# Altium PCB 28375D_Control_Card_2023.6.7.PcbDoc (part 2 of 2)
Units mil, origin at the board's own origin, x right, y up, seen from the top; angles counter-clockwise.
Board outline 3937.01 x 3937.01 mil, 4 copper layers (Top Layer, GND, POWER, Bottom Layer), stack 22.378 mil thick; 208 components, 172 nets, 815 pads, 387 vias.
Unrouted connection lines stored in the file: 110.
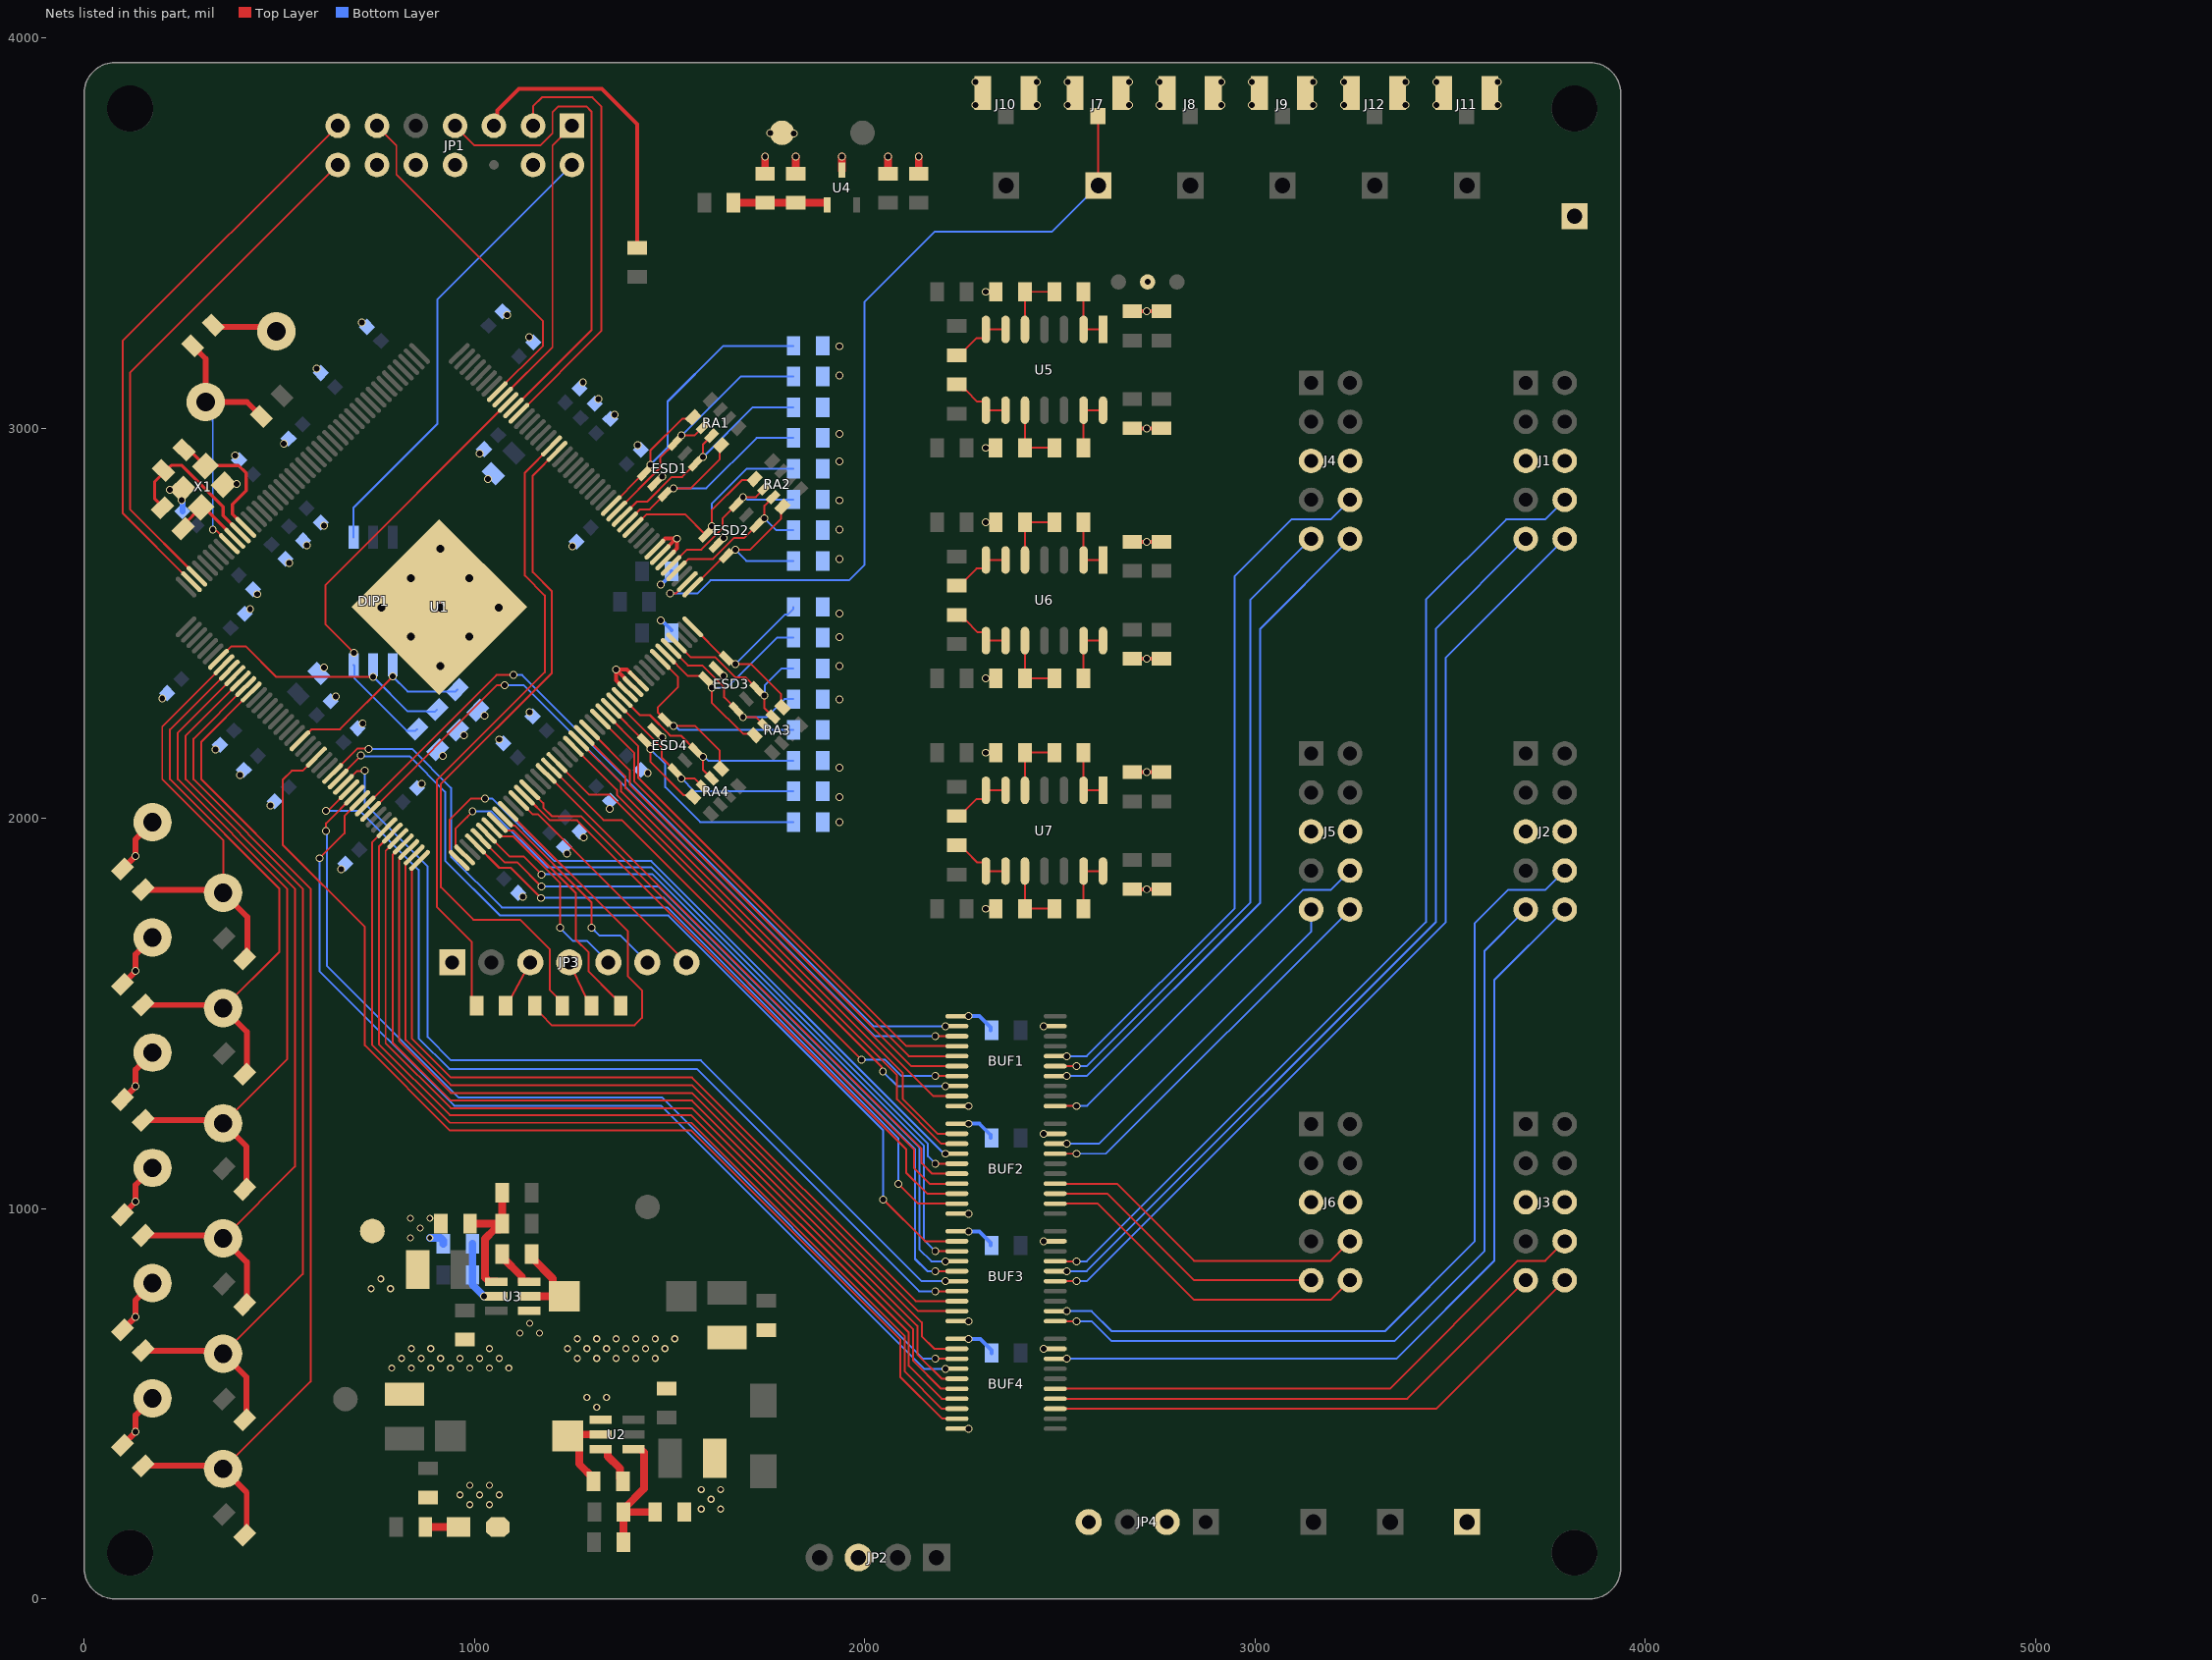
[diagram p4: the nets of this part, all layers, seen from the top]

## Via types
v1: diameter 20, hole 15, Top Layer to Bottom Layer, tented both sides, 277 vias
v2: diameter 18, hole 12, Top Layer to Bottom Layer, tented both sides, 100 vias
v3: diameter 30, hole 20, Top Layer to Bottom Layer, tented both sides, 9 vias
v4: diameter 20, hole 15, Top Layer to Bottom Layer, 1 vias

## Nets (pads, with @x,y where several pads share a name; then routed paths per layer and width w, separated by ;. In a path a pad name is that pad's centre, name@x,y a point inside that pad or via, vN(x,y) a via of type N, cw(c..) or ccw(c..) an arc to the next point about the centre after c; other vN are vias at no path point) (continued)
GND: BUF1.1 BUF1.10 BUF1.19 BUF2.1 BUF2.10 BUF2.19 BUF3.1 BUF3.10 BUF3.19 BUF4.1 BUF4.10 BUF4.19 C3.1 C6.1 C7.1 C8.1 C9.1 C11.1 C12.1 C14.1 C15.1 C16.1 C17.1 C18.1 C19.1 C20.1 C21.1 C22.1 C23.1 C24.1 C25.1 C26.1 C27.1 C28.1 C29.1 C30.1 C31.1 C32.1 C33.1 C34.1 C35.1 C36.1 C37.1 C38.1 C39.1 C40.1 C41.1 C42.1 C43.1 C44.1 C45.1 C46.1 C47.1 C48.1 C49.1 C50.1 C51.1 C52.1 C53.1 C54.1 C55.1 C56.1 C57.1 C58.1 C59.1 C60.1 C61.1 C62.1 C63.1 C64.1 C65.1 C66.1 C67.1 C68.2 C69.1 C70.2 C71.1 C72.2 C73.1 C74.1 C75.1 C76.1 C77.1 C78.1 C79.1 C80.1 C81.1 C82.1 C83.1 C84.1 C85.1 C86.1 C87.1 C88.1 C89.2 ESD1.2 ESD2.2 ESD3.2 ESD4.2 J1.5 J1.6 J2.5 J2.6 J3.5 J3.6 J4.5 J4.6 J5.5 J5.6 J6.5 J6.6 J7.2 J8.2 J9.2 J10.2 J11.2 J12.2 JP1.4 JP1.8 JP1.10 JP1.12 JP2.3 JP3.1 JP4.2 JP4.4 LED1.2 R3.1 R6.1 R18.1 R19.1 R20.1 R21.1 R22.1 R23.1 R24.1 R25.1 R26.1 R27.1 R28.1 R29.1 R44.2 R45.2 R46.2 S.1 SW1.1 SW2.1 SW3.1 SW4.1 SW5.1 SW6.1 TP7.1 TP11.1 TP12.1 TP15.1 TP17.1 U1.32 U1.33 U1.34 U1.50 U1.51 U1.52 U1.177 U2.4 U3.4 U4.3 X1.2 X1.4 | length 2758.2
  Top Layer w10: X1.4@250.71,2843.04 X1.4@252.11,2844.43 ; U1.32@1392.44,2324.1 1362.41,2354.13 v1(1362.41,2381.42) ; U1.33@1406.36,2338.02 1406.09,2338.02 1362.69,2381.42 v1(1362.41,2381.42) ; U1.34@1420.28,2351.94 1390.8,2381.42 v1(1362.41,2381.42) ; U1.52@1462.04,2690.2 1462.53,2690.2 1489.24,2716.92 v1(1519.44,2716.92) 1519.44,2691.92 U1.50@1489.88,2662.36 ; U1.51@1475.96,2676.28 1476.12,2676.28 v1@1516.75,2716.92 ; v1(2310.49,1768.46) 2335.78,1768.46 R25.1@2335.83,1768.5 ; v1(2310.49,2168.46) 2335.78,2168.46 R24.1@2335.83,2168.5 ; v1(2310.49,2359.01) R29.1@2335.83,2359.06 R29.1@2335.83,2359.06 ; v1(2310.49,2759.01) R28.1@2335.83,2759.06 R28.1@2335.83,2759.06 ; v1(2310.49,2949.56) 2335.78,2949.56 R27.1@2335.83,2949.61 ; v1(2310.49,3349.56) 2335.78,3349.56 R26.1@2335.83,3349.61 ; R19.1@2685.63,1818.7 C69.1@2760.63,1818.7 ; R18.1@2685.63,2118.31 C68.2@2760.63,2118.31 ; R23.1@2685.63,2409.25 C73.1@2760.63,2409.25 ; R22.1@2685.63,2708.86 C72.2@2760.63,2708.86 ; R21.1@2685.63,2999.8 C71.1@2760.63,2999.8 ; R20.1@2685.63,3299.41 C70.2@2760.63,3299.41
  Top Layer w15: C79.1@98.43,393.7 98.43,394.51 v1(131.61,427.69) 131.61,470.45 SW6.1@175.07,513.91 ; C78.1@98.43,688.98 98.43,689.78 v1(131.61,722.97) 131.61,765.73 SW5.1@175.07,809.18 ; C77.1@98.43,984.25 98.43,985.06 v1(131.61,1018.24) 131.61,1061 SW4.1@175.07,1104.46 ; C76.1@98.43,1279.53 98.43,1280.33 v1(131.61,1313.52) 131.61,1356.28 SW3.1@175.07,1399.74 ; C75.1@98.43,1574.8 98.43,1575.61 v1(131.61,1608.79) 131.61,1651.55 SW2.1@175.07,1695.01 ; C74.1@98.43,1870.08 98.43,1870.88 v1(131.61,1904.07) 131.61,1946.83 SW1.1@175.07,1990.29 ; C3.1@330.59,3264.42 335.89,3259.12 481.04,3259.12 S.1@492.13,3248.03
  Top Layer w20: C49.1@1744.7,3652.55 v1(1744.7,3695.85) ; C48.1@1823.44,3652.55 v1(1823.44,3695.85) ; U4.3@1941.55,3661.4 v1(1941.55,3695.85) ; C51.1@2059.66,3652.55 v1(2059.66,3695.85) ; C50.1@2138.4,3652.55 v1(2138.4,3695.85)
  Bottom Layer w10: v1(1476.97,2599.37) 1478.55,2599.37 1504.54,2625.36 C11.1@1504.54,2632.86 ; v1(1477.57,2507.6) 1479.82,2507.6 C12.1@1504.54,2482.88 ; v1@2263.78,941.93 2293.92,941.93 2322.83,913.02 C83.1@2322.83,905.52 ; v1@2263.78,1217.52 2293.92,1217.52 2322.83,1188.61 C82.1@2322.83,1181.11 ; v1@2263.78,1493.11 2293.92,1493.11 2322.83,1464.2 C85.1@2322.83,1456.7 ; v1(2265.75,666.34) 2295.89,666.34 2324.8,637.42 C84.1@2324.8,629.92
  Bottom Layer w15: v1(250,2816) 250,2814.65 251.82,2812.83 C36.1@251.82,2787.16
  Bottom Layer w20: v2(885.82,925.04) 912.7,925 920.2,917.5 C89.2@920.2,910
  other v1: 2265.75,436.02 2458.66,640.75 2265.75,711.61 2458.66,916.34 2265.75,941.93 2265.75,987.2 2458.66,1191.93 2265.75,1217.52 2265.75,1262.8 2458.66,1467.52 2265.75,1493.11 1124,1799 2723.13,1818.7 658,1870 1237.42,1909.42 1280.4,1951.4 1935,1990 1346.01,2024.01 477,2033 1935,2055 864.25,2089.05 399,2111 1444,2116 2723.13,2118.31 1935,2130 918.74,2160.47 336.21,2176.17 1063.7,2202.36 1480.61,2207.55 973.33,2213.34 713.26,2243.42 1026.05,2262.9 1140.94,2272.06 1935,2305 200,2308 644.81,2312.98 1638.09,2365.03 614.9,2386.17 1935,2390 2723.13,2409.25 1935,2465 1935,2525 425.13,2536.23 443.91,2574.76 525,2655 1935,2665 1250.42,2697.45 570,2700 2723.13,2708.86 1638.09,2718.73 1935,2740 615,2750 1935,2815 219.5,2841.61 390.59,2856.82 1035,2870 1480.61,2876.21 1935,2915 387,2930 1013.48,2935.25 1418,2957 511.89,2960.5 1935,2985 2723.13,2999.8 1359,3034 1318,3075 1278,3117 1935,3135 596,3153 1935,3210 1140,3233 711,3271 1084,3290 2723.13,3299.41 2725,3375 1817.77,3754.7 1757.54,3756.24 2283.46,3828.74 2440.94,3828.74 2519.68,3828.74 2677.17,3828.74 2755.91,3828.74 2913.39,3828.74 2992.13,3828.74 3149.61,3828.74 3228.35,3828.74 3385.83,3828.74 3464.57,3828.74 3622.05,3828.74 2283.46,3887.8 2440.94,3887.8 2519.68,3887.8 2677.17,3887.8 2755.91,3887.8 2913.39,3887.8 2992.13,3887.8 3149.61,3887.8 3228.35,3887.8 3385.83,3887.8 3464.57,3887.8 3622.05,3887.8
  other v2: 1581.13,230.14 1631.13,230.14 988.19,241.34 1038.19,241.34 1606.13,255.14 963.19,266.34 1013.19,266.34 1063.19,266.34 1581.13,280.14 1631.13,280.14 988.19,291.34 1038.19,291.34 1313.19,491.34 1288.19,516.34 1338.19,516.34 788.19,591.34 838.19,591.34 888.19,591.34 938.19,591.34 988.19,591.34 1038.19,591.34 1088.19,591.34 813.19,616.34 863.19,616.34 913.19,616.34 963.19,616.34 1013.19,616.34 1063.19,616.34 1263.19,616.34 1313.19,616.34 1363.19,616.34 1413.19,616.34 1463.19,616.34 838.19,641.34 888.19,641.34 1038.19,641.34 1238.19,641.34 1288.19,641.34 1338.19,641.34 1388.19,641.34 1438.19,641.34 1488.19,641.34 1263.19,666.34 1313.19,666.34 1363.19,666.34 1413.19,666.34 1463.19,666.34 1513.19,666.34 1116.43,681.22 1166.43,681.22 1141.43,706.22 735,795 785,795 760,820 835.82,925.04 860.82,950.04 835.82,975.04 885.82,975.04
  other v3: 912.04,2390.54 837.04,2465.54 987.04,2465.54 762.04,2540.54 912.04,2540.54 1062.04,2540.54 837.04,2615.54 987.04,2615.54 912.04,2690.54
I2CB_SCL: R47.1 U1.71 | length 1641
  Top Layer w5: R47.1@1005.2,1520 993.39,1531.8 993.39,1682.82 903.27,1772.94 903.27,2097.77 1179.93,2374.43 1179.93,2571.32 1129,2622.25 1129,2886.1 U1.71@1197.57,2954.67
I2CB_SDA: R49.1 U1.70 | length 1783.3
  Top Layer w5: U1.70@1211.49,2940.75 1149.21,2878.47 1149.21,2630.79 1198.34,2581.66 1198.34,2372.83 914.27,2088.77 914.27,1823.63 997.33,1740.58 1116.74,1740.58 1193.17,1664.16 1193.17,1559.95 1210.2,1542.92 1210.2,1535 R49.1@1225.2,1520
JTAG_TRST: DIP1.4 JP1.2 | length 1186.4
  Bottom Layer w5: DIP1.4@690.51,2720.32 690.51,2796.81 905.51,3011.81 905.51,3330.51 JP1.2@1250,3675
nCS: JP3.7 U1.12 | length 600.7
  Top Layer w5: U1.12@1114.05,2045.71 1149.76,2010 1163,2010 1542,1631 JP3.7@1543,1631
NetC4_1: C4.1 R3.2 R4.1 U2.1 | length 362.4
  Top Layer w20: C4.1@1381.55,145.41 1381.84,145.71 1381.84,222.16 R4.1@1382.13,222.46 ; U2.1@1407.72,383.87 1425.44,383.87 1434.25,375.07 1434.25,282.07 1382.13,229.96 R4.1@1382.13,222.46 ; R3.2@1462.85,222.46 R4.1@1382.13,222.46
NetC5_1: C5.1 U2.6 | length 116.7
  Top Layer w20: U2.6@1323.08,383.87 1340.8,383.87 1341.62,383.05 1341.62,365.33 1372.67,334.28 1372.67,308.7 C5.1@1380.17,301.2
NetC5_2: C5.2 L1.1 U2.5 | length 230
  Top Layer w20: C5.2@1305.37,301.2 1305.37,308.7 1268.07,346 1268.07,388.32 L1.1@1238.7,417.69 1242.28,421.28 U2.5@1323.08,421.28
NetC10_1: C10.1 R6.2 R7.1 U3.1 | length 358.4
  Top Layer w20: R6.2@988.57,961.94 1063.75,961.94 R7.1@1071.25,961.94 ; U3.1@1055.82,812.62 1038.11,812.62 1027.07,823.66 1027.07,922.33 1051.68,946.94 1063.75,946.94 1071.25,954.44 R7.1@1071.25,961.94 ; C10.1@1071.25,1040.68 R7.1@1071.25,961.94
NetC13_1: C13.1 U3.6 | length 109.6
  Top Layer w20: C13.1@1071.25,883.2 1071.25,875.7 1121.93,825.03 1121.93,813.45 1122.75,812.62 U3.6@1140.47,812.62
NetC13_2: C13.2 L2.1 U3.5 | length 232.7
  Top Layer w20: U3.5@1140.47,775.22 L2.1@1230.27,775.22 1200.9,804.59 1200.9,820.86 1146.05,875.7 C13.2@1146.05,883.2
NetC48_2: C48.2 C49.2 FB3.2 U4.1 | length 225.6
  Top Layer w20: FB3.2@1677.37,3577.74 C49.2@1744.7,3577.74 C48.2@1823.44,3577.74 U4.1@1903.01,3577.74
NetC89_1: C89.1 R51.2 U3.2 | length 147.4
  Bottom Layer w20: C89.1@995,910 R51.2@995,830 995,805 v4(1025,775)
NetJP1_5: JP1.5 R1.1 | length 779.2
  Top Layer w10: JP1.5@1050,3775 1058.09,3783.09 1058.09,3814 1114.08,3869.98 1326.87,3869.98 1417.32,3779.53 R1.1@1417.32,3462.6
NetLED1_1: LED1.1 R5.1 | length 85.2
  Top Layer w20: R5.1@874.28,183.67 LED1.1@959.48,183.67
NetR12_1: R12.1 R24.2 U7.5 | length 171.8
  Top Layer w5: U7.5@2410.63,2071.85 R24.2@2410.63,2168.5 R12.1@2485.83,2168.5
NetR12_2: R12.2 U7.1 U7.2 | length 146.7
  Top Layer w5: R12.2@2560.63,2168.5 U7.2@2560.63,2071.85 U7.1@2610.63,2071.85
NetR13_1: R13.1 R25.2 U7.10 | length 171.9
  Top Layer w5: U7.10@2410.63,1865.16 R25.2@2410.63,1768.5 R13.1@2485.83,1768.5
NetR13_2: R13.2 U7.13 U7.14 | length 146.7
  Top Layer w5: R13.2@2560.63,1768.5 U7.13@2560.63,1865.16 U7.14@2610.63,1865.16
NetR14_1: R14.1 R26.2 U5.5 | length 171.8
  Top Layer w5: U5.5@2410.63,3252.95 R26.2@2410.63,3349.61 R14.1@2485.83,3349.61
NetR14_2: R14.2 U5.1 U5.2 | length 146.7
  Top Layer w5: R14.2@2560.63,3349.61 U5.2@2560.63,3252.95 U5.1@2610.63,3252.95
NetR15_1: R15.1 R27.2 U5.10 | length 171.9
  Top Layer w5: U5.10@2410.63,3046.26 2410.63,2949.61 R15.1@2485.83,2949.61
NetR15_2: R15.2 U5.13 U5.14 | length 146.7
  Top Layer w5: R15.2@2560.63,2949.61 U5.13@2560.63,3046.26 U5.14@2610.63,3046.26
NetR16_1: R16.1 R28.2 U6.5 | length 171.8
  Top Layer w5: U6.5@2410.63,2662.4 R28.2@2410.63,2759.06 R16.1@2485.83,2759.06
NetR16_2: R16.2 U6.1 U6.2 | length 146.7
  Top Layer w5: R16.2@2560.63,2759.06 U6.2@2560.63,2662.4 U6.1@2610.63,2662.4
NetR17_1: R17.1 R29.2 U6.10 | length 171.9
  Top Layer w5: U6.10@2410.63,2455.71 R29.2@2410.63,2359.06 R17.1@2485.83,2359.06
NetR17_2: R17.2 U6.13 U6.14 | length 146.7
  Top Layer w5: R17.2@2560.63,2359.06 U6.13@2560.63,2455.71 U6.14@2610.63,2455.71
NetR30_2: R30.2 U7.6 U7.7 | length 160.7
  Top Layer w5: R30.2@2235.63,2006.11 2243.13,2006.11 2286.77,2049.75 2302.93,2049.75 2310.63,2057.44 U7.7@2310.63,2071.85 U7.6@2360.63,2071.85
NetR31_2: R31.2 U7.8 U7.9 | length 160.7
  Top Layer w5: R31.2@2235.63,1930.9 2250.63,1915.9 2259.88,1915.9 2288.52,1887.27 2302.93,1887.27 2310.63,1879.57 U7.8@2310.63,1865.16 U7.9@2360.63,1865.16
NetR32_2: R32.2 U5.6 U5.7 | length 160.7
  Top Layer w5: R32.2@2235.63,3187.21 2243.13,3187.21 2286.77,3230.85 2302.93,3230.85 2310.63,3238.54 U5.7@2310.63,3252.95 U5.6@2360.63,3252.95
NetR33_2: R33.2 U5.8 U5.9 | length 160.7
  Top Layer w5: R33.2@2235.63,3112 2250.63,3097 2259.88,3097 2288.52,3068.37 2302.93,3068.37 2310.63,3060.68 U5.8@2310.63,3046.26 U5.9@2360.63,3046.26
NetR34_2: R34.2 U6.6 U6.7 | length 160.7
  Top Layer w5: R34.2@2235.63,2596.66 2243.13,2596.66 2286.77,2640.3 2302.93,2640.3 2310.63,2647.99 U6.7@2310.63,2662.4 U6.6@2360.63,2662.4
NetR35_2: R35.2 U6.8 U6.9 | length 160.7
  Top Layer w5: R35.2@2235.63,2521.45 2250.63,2506.45 2259.88,2506.45 2288.52,2477.82 2302.93,2477.82 2310.63,2470.12 U6.8@2310.63,2455.71 U6.9@2360.63,2455.71
nRST: C3.2 R2.1 S.2 U1.124 | length 734.4
  Top Layer w5: S.2@293.3,3049.2 S.2@311.17,3067.08 ; v1(329.55,2739.74) 332.42,2736.87 339.38,2736.87 U1.124@372.13,2704.12
  Top Layer w15: C3.2@277.7,3211.53 283,3206.23 311.17,3178.05 S.2@311.17,3067.08 417.02,3067.08 R2.1@454.25,3029.85
  Bottom Layer w5: S.2@311.17,3067.08 329.05,3049.2 329.05,3017.94 329.55,3017.44 v1(329.55,2739.74)
OLED_SCL: JP3.3 R47.2 R48.1 | length 127.7
  Top Layer w5: R47.2@1080,1520 1095,1542.5 JP3.3@1143,1631
OLED_SDA: JP3.4 R49.2 R50.1 | length 125
  Top Layer w5: JP3.4@1243,1631 1285,1542.5 R50.1@1300,1520
P12: BUF3.5 U1.4 | length 1851.8
  Top Layer w5: U1.4@1002.7,1934.36 1063.55,1873.5 1093.08,1873.5 v1@1170.44,1796.14 ; v1(2181.1,839.57) BUF3.5@2236.22,839.57
  Bottom Layer w5: v1(1170.58,1796.14) 1485.48,1796.14 2129,1152.62 2129,871 2160.43,839.57 v1(2181.1,839.57)
P13: BUF3.4 U1.5 | length 1791.7
  Top Layer w5: U1.5@1016.62,1948.27 1077.89,1887 1110.23,1887 v1(1171.66,1825.57)
  Bottom Layer w5: v1(1171.66,1825.57) 1471.61,1825.57 2140,1157.18 2140,896 2170.84,865.16 v1(2206.69,865.16)
P14: BUF3.3 U1.6 | length 1792
  Top Layer w5: U1.6@1030.54,1962.19 1089.73,1903 1125.54,1903 1171.2,1857.35 v1(1171.2,1855.99) ; v1(2181.1,890.75) BUF3.3@2236.22,890.75
  Bottom Layer w5: v1(1171.2,1855.99) 1171.87,1856.67 1456.07,1856.67 2151,1161.74 2151,920.85 v1(2181.1,890.75)
P15: JP3.5 U1.7 | length 509
  Top Layer w5: U1.7@1044.46,1976.11 1066.64,1953.93 1099.42,1953.93 1220,1833.35 v1(1220,1720)
  Bottom Layer w5: v1(1220,1720) 1220,1718.17 1251.84,1686.34 1287.66,1686.34 JP3.5@1343,1631
P17: JP3.6 U1.9 | length 562.9
  Top Layer w5: U1.9@1072.3,2003.95 1094.48,1981.77 1102.7,1981.77 1300,1784.47 v1(1300,1720)
  Bottom Layer w5: v1(1300,1720) 1320,1700 1374,1700 JP3.6@1443,1631
P20: BUF2.8 U1.13 | length 1566.1
  Top Layer w5: U1.13@1127.97,2059.63 1128.93,2059.63 1193.56,1995 1262.97,1995 2106.3,1151.67 2106.3,1092.23 2160.14,1038.39 BUF2.8@2236.22,1038.39
P21: BUF2.7 U1.14 | length 1547.2
  Top Layer w5: U1.14@1141.89,2073.55 1176.21,2039.24 1176.21,2027.91 1198.11,2006 1272.46,2006 2125.98,1152.48 2125.98,1104.57 2166.58,1063.98 BUF2.7@2236.22,1063.98
P22: BUF2.3 U1.22 | length 1448.9
  Top Layer w5: U1.22@1253.25,2184.9 1365,2073.15 1365,2060.2 2083,1342.2 2083,1280 2196.66,1166.34 BUF2.3@2236.22,1166.34
P23: BUF2.2 U1.23 | length 1437.3
  Top Layer w5: U1.23@1267.17,2198.82 1376,2089.99 1376,2068.88 2098,1346.88 2098,1280.56 2186.63,1191.93 BUF2.2@2236.22,1191.93
P24: BUF1.9 U1.24 | length 1355.2
  Top Layer w5: U1.24@1281.09,2212.74 1387,2106.83 1387,2077.57 2176.18,1288.39 BUF1.9@2236.22,1288.39
P25: BUF1.6 U1.25 | length 1320
  Top Layer w5: U1.25@1295.01,2226.66 1398,2123.67 1398,2086.25 2119.09,1365.16 BUF1.6@2236.22,1365.16
P26: BUF1.5 U1.27 | length 1314.2
  Top Layer w5: U1.27@1322.85,2254.5 1409,2168.35 1409,2094.94 2113.19,1390.75 BUF1.5@2236.22,1390.75
P27: BUF1.4 U1.28 | length 1300.2
  Top Layer w5: U1.28@1336.76,2268.42 1420,2185.19 1420,2103.62 2107.28,1416.34 BUF1.4@2236.22,1416.34
P72/BOOT1: DIP1.2 R45.1 U1.139 | length 645.4
  Top Layer w5: U1.139@344.29,2407.62 377.62,2440.94 413.39,2440.94 491.49,2362.84 v1(740.57,2362.84)
  Bottom Layer w5: v1(740.57,2362.84) 829.26,2274.15 877.37,2274.15 877.88,2273.64 899.09,2273.64 R45.1@904.39,2278.94
P73-SW1: C74.2 R8.1 SW1.2 U1.140 | length 1120.1
  Top Layer w5: SW1.2@356.02,1809.33 356.02,1943.98 200,2100 200,2235.49 U1.140@358.21,2393.7
  Top Layer w15: C74.2@151.32,1817.18 348.17,1817.18 SW1.2@356.02,1809.33 417.69,1747.67 417.69,1660.57 411.16,1654.04 R8.1@411.16,1639.9
P74-SW2: C75.2 R9.1 SW2.2 U1.141 | length 1509.2
  Top Layer w5: SW2.2@356.02,1514.06 500,1658.04 500,1820 220,2100 220,2227.65 U1.141@372.13,2379.78
  Top Layer w15: C75.2@151.32,1521.91 348.17,1521.91 SW2.2@356.02,1514.06 416.79,1453.29 416.79,1364.4 411.16,1358.77 R9.1@411.16,1344.63
P75-SW3: C76.2 R10.1 SW3.2 U1.142 | length 1796.1
  Top Layer w5: SW3.2@356.02,1218.78 520,1382.76 520,1820 240,2100 240,2219.81 U1.142@386.05,2365.86
  Top Layer w15: C76.2@151.32,1226.63 348.17,1226.63 SW3.2@356.02,1218.78 415.9,1158.9 415.9,1069.36 416.46,1068.8 416.46,1054.65 R10.1@411.16,1049.35
P76-SW4: C77.2 R11.1 SW4.2 U1.143 | length 2083.3
  Top Layer w5: SW4.2@356.02,923.51 540,1107.49 540,1820 260,2100 260,2211.97 U1.143@399.97,2351.94
  Top Layer w15: C77.2@151.32,931.36 348.17,931.36 SW4.2@356.02,923.51 416.61,862.92 416.61,773.67 411.16,768.22 R11.1@411.16,754.08
P77-SW5: C78.2 R42.1 SW5.2 U1.144 | length 2370.3
  Top Layer w5: SW5.2@356.02,628.23 560,832.21 560,1820 280,2100 280,2204.13 U1.144@413.88,2338.02
  Top Layer w15: C78.2@151.32,636.08 348.17,636.08 SW5.2@356.02,628.23 415.8,568.45 415.8,478.91 416.46,478.25 416.46,464.1 R42.1@411.16,458.8
P78-SW6: C79.2 R43.1 SW6.2 U1.145 | length 2657.5
  Top Layer w5: SW6.2@356.02,332.96 580,556.94 580,1820 300,2100 300,2196.3 U1.145@427.8,2324.1
  Top Layer w15: C79.2@151.32,340.81 348.17,340.81 SW6.2@356.02,332.96 416.34,272.63 416.34,183.09 416.46,182.97 416.46,168.83 R43.1@411.16,163.52
P84/BOOT0: DIP1.1 R46.1 U1.154 | length 489.7
  Top Layer w5: U1.154@553.08,2198.82 583.04,2228.78 655.5,2228.78 v1(790.55,2363.84)
  Bottom Layer w5: v1(790.55,2363.84) 828.77,2325.62 928.64,2325.62 929.54,2324.72 950.76,2324.72 R46.1@956.06,2330.02
P87: BUF4.9 U1.157 | length 2847.4
  Top Layer w5: U1.157@594.84,2157.07 559.77,2122 531.92,2122 508.8,2098.88 508.8,1932.14 718.99,1721.96 718.99,1418.48 937.46,1200 1555.91,1200 2091,664.91 2091,569 2198.39,461.61 BUF4.9@2236.22,461.61
P88: BUF4.8 U1.170 | length 2510.4
  Top Layer w5: U1.170@775.79,1976.11 737.46,1937.79 737.46,1419.69 937.15,1220 1555.59,1220 2102,673.59 2102,583 2197.8,487.2 BUF4.8@2236.22,487.2
P89: BUF4.7 U1.171 | length 2462.4
  Top Layer w5: U1.171@789.71,1962.19 755.11,1927.6 755.11,1421.72 936.83,1240 1555.28,1240 2113,682.28 2113,597 2197.2,512.8 BUF4.7@2236.22,512.8
P90: BUF4.6 U1.172 | length 2415.3
  Top Layer w5: U1.172@803.63,1948.27 772.34,1916.98 772.34,1424.18 939.25,1257.27 1557.69,1257.27 2124,690.96 2124,610 2195.61,538.39 BUF4.6@2236.22,538.39
P91: BUF4.5 U1.173 | length 2365.6
  Top Layer w5: U1.173@817.55,1934.36 817.55,1934.07 790.62,1907.14 790.62,1425.58 939.25,1276.95 1557.69,1276.95 2135,699.65 2135,626 2197.02,563.98 BUF4.5@2236.22,563.98
P92: BUF4.2 U1.174 | length 2278
  Top Layer w5: U1.174@831.47,1920.44 831.47,1918.59 807.09,1894.21 807.09,1428.8 939.25,1296.64 1557.69,1296.64 2146,708.33 2146,673 2178.25,640.75 BUF4.2@2236.22,640.75
P93: BUF3.9 U1.175 | length 2184.2
  Top Layer w5: U1.175@845.39,1906.52 823.37,1884.5 823.37,1432.21 939.25,1316.32 1557.69,1316.32 2136.81,737.2 BUF3.9@2236.22,737.2
P94: BUF3.8 U1.176 | length 2140.7
  Top Layer w5: U1.176@859.31,1892.6 839.32,1872.61 839.32,1435.94 939.25,1336.01 1557.69,1336.01 2130.7,763 2236.02,763 BUF3.8@2236.22,762.8
P99: BUF2.6 U1.17 | length 1498.8
  Top Layer w5: U1.17@1183.65,2115.31 1281.96,2017 2145.67,1153.29 2145.67,1116.82 2172.92,1089.57 BUF2.6@2236.22,1089.57
PWM1A: BUF2.9 U1.160 | length 2280.8
  Top Layer w5: U1.160@636.6,2115.31 700.79,2179.5 727.5,2179.5 v1(729,2178) ; v1(2086.61,1062.99) 2136.81,1012.8 BUF2.9@2236.22,1012.8
  Bottom Layer w5: v1(729,2178) 840,2178 940,2078 940,1902 1070,1772 1494.07,1772 2086.61,1179.45 v1(2086.61,1062.99)
PWM1B: BUF3.2 U1.161 | length 2333.5
  Top Layer w5: U1.161@650.51,2101.39 650.51,2101.95 709,2160.44 v1(709,2161) ; v1(2047.24,1023.62) 2154.53,916.34 BUF3.2@2236.22,916.34
  Bottom Layer w5: v1(709,2161) 710.5,2159.5 833.5,2159.5 925,2068 925,1892 1066,1751 1497.03,1751 2047.24,1200.79 v1(2047.24,1023.62)
PWM2A: BUF3.6 U1.162 | length 2403.6
  Top Layer w5: U1.162@664.43,2087.47 698.1,2121.13 718.13,2121.13 v1(719,2122)
  Bottom Layer w5: v1(719,2122) 719,2038 880,1877 880,1440 940,1380 1580,1380 2146.02,813.98 v1(2206.69,813.98)
PWM2B: BUF3.7 U1.163 | length 2460.4
  Top Layer w5: v1(619.6,2019.89) 622.47,2022.76 627.57,2022.76 U1.163@678.35,2073.55 ; v1(2181.1,788.39) BUF3.7@2236.22,788.39
  Bottom Layer w5: v1(619.6,2019.89) 705.11,2019.89 857,1868 857,1436.64 935.64,1358 1570,1358 2139.61,788.39 v1(2181.1,788.39)
PWM3A: BUF4.3 U1.164 | length 2499.7
  Top Layer w5: v1(620,1968) 620,1987.36 U1.164@692.27,2059.63 ; v1(2181.1,615.16) BUF4.3@2236.22,615.16
  Bottom Layer w5: v1(620,1968) 621.5,1966.5 621.5,1622.5 959,1285 1480,1285 2149.84,615.16 v1(2181.1,615.16)
PWM3B: BUF4.4 U1.165 | length 2505
  Top Layer w5: v1(603,1898) 667,1962 667,2006.52 U1.165@705.92,2045.44
  Bottom Layer w5: v1(603,1898) 603,1609 948,1264 1478,1264 2152.43,589.57 v1(2206.69,589.57)
PWM4A: BUF1.2 U1.166 | length 1998.6
  Top Layer w5: U1.166@720.11,2031.79 720.45,2031.79 1056.32,2367.66 v1(1099.46,2367.66)
  Bottom Layer w5: v1(1099.46,2367.66) 1122.36,2367.66 2022.5,1467.52 v1(2206.69,1467.52)
PWM4B: BUF1.3 U1.167 | length 2009.1
  Top Layer w5: U1.167@734.03,2017.87 1057.96,2341.8 v1(1077.74,2341.8) ; v1(2181.1,1441.93) BUF1.3@2236.22,1441.93
  Bottom Layer w5: v1(1077.74,2341.8) 1126.2,2341.8 2026.07,1441.93 v1(2181.1,1441.93)
PWM5A: BUF1.7 U1.18 | length 1365.7
  Top Layer w5: U1.18@1197.57,2129.23 1330.8,1996 1377.53,1996 v1(1991.68,1381.85) ; v1(2181.1,1339.57) BUF1.7@2236.22,1339.57
  Bottom Layer w5: v1(1991.68,1381.85) 1992.11,1381.42 2052.55,1381.42 2094.4,1339.57 v1(2181.1,1339.57)
PWM5B: BUF1.8 U1.19 | length 1343.8
  Top Layer w5: U1.19@1211.49,2143.15 1293.64,2061 1345.42,2061 2043.64,1362.78 2043.64,1354.06 v1(2046.51,1351.19)
  Bottom Layer w5: v1(2046.51,1351.19) 2083.72,1313.98 v1(2206.69,1313.98)
PWM6A: BUF2.4 U1.1 | length 1784.4
  Top Layer w5: U1.1@960.94,1892.6 960.94,1894.44 935.99,1919.39 935.99,1996.15 990.84,2051 v1(1027,2051)
  Bottom Layer w5: v1(1027,2051) 1045,2051 1205.08,1890.92 1452.93,1890.92 2203.1,1140.75 v1(2206.69,1140.75)
PWM6B: BUF2.5 U1.2 | length 1773.6
  Top Layer w5: U1.2@974.86,1906.52 974.86,1908.36 951.26,1931.96 951.26,1973.26 981.13,2003.13 981.59,2003.13 995,2016.54 v1(995,2018) ; v1(2181.1,1115.16) BUF2.5@2236.22,1115.16
  Bottom Layer w5: v1(995,2018) 1044,2018 1186.83,1875.17 1453.12,1875.17 2162,1166.29 2162,1134.26 v1(2181.1,1115.16)
SCI_RX: JP1.13 U1.131 | length 1469.8
  Top Layer w5: U1.131@274.69,2606.69 98.43,2782.95 98.43,3223.43 JP1.13@650,3775
SCI_TX: JP1.14 U1.130 | length 1345.3
  Top Layer w5: U1.130@288.61,2620.61 118.11,2791.1 118.11,3143.11 JP1.14@650,3675
SPIA_SCK: R48.2 U1.10 | length 978.6
  Top Layer w5: U1.10@1086.21,2017.87 1392.52,1711.57 1392.52,1596.21 1429.45,1559.28 1429.45,1488.99 1410.61,1470.15 1197.89,1470.15 1170.54,1497.5 1169.8,1497.5 1154.8,1512.5 R48.2@1154.8,1520
SPIA_SDA: R50.2 U1.8 | length 614.3
  Top Layer w5: U1.8@1058.38,1990.03 1079.74,1968.67 1100.24,1968.67 1259.77,1809.14 1259.77,1689.55 1292.07,1657.25 1292.07,1608.24 1357.81,1542.5 1359.8,1542.5 1374.8,1527.5 R50.2@1374.8,1520
TCK: JP1.11 U1.81 | length 905.5
  Top Layer w5: JP1.11@750,3775 800,3725 800,3650 1175,3275 1175,3210.49 U1.81@1058.38,3093.87
TDI: JP1.3 U1.77 | length 1118.2
  Top Layer w5: U1.77@1114.05,3038.19 1325,3249.13 1325,3825 1302.07,3847.93 1172.93,3847.93 1150,3825 JP1.3@1150,3775
TDO: JP1.7 U1.78 | length 1291.4
  Top Layer w5: JP1.7@950,3775 1000,3725 1168.66,3725 1200,3756.34 1200,3810.1 1214.9,3825 1286.48,3825 1300,3811.48 1300,3251.97 U1.78@1100.13,3052.11
TMS: JP1.1 U1.80 | length 768.7
  Top Layer w5: U1.80@1072.3,3079.95 1200,3207.65 1200,3725 JP1.1@1250,3775
TRST: DIP1.3 R44.1 U1.79 | length 1119.5
  Top Layer w5: v1(691.29,2424.35) 618.61,2497.03 618.61,2598.43 U1.79@1086.21,3066.03
  Bottom Layer w5: DIP1.3@690.51,2393.55 692.63,2391.43 692.63,2358.46 827.14,2223.95 848.35,2223.95 R44.1@853.02,2228.61
UD1.1: BUF3.17 J1.8 | length 2597.8
  Top Layer w5: BUF3.17@2488.19,865.16 v1(2543.31,865.16)
  Bottom Layer w5: v1(2543.31,865.16) 2568.9,865.16 3438.19,1734.45 3438.19,2560.9 3643.68,2766.39 3743.68,2766.39 J1.8@3793.68,2816.39
UD1.2: BUF3.16 J1.9 | length 2393.9
  Bottom Layer w5: v1(2517.72,839.57) 2568.9,839.57 3463.19,1733.86 3463.19,2485.9 J1.9@3693.68,2716.39
UD1.3: BUF3.15 J1.10 | length 2490.4
  Top Layer w5: BUF3.15@2488.19,813.98 v1(2543.31,813.98)
  Bottom Layer w5: v1(2543.31,813.98) 2568.9,813.98 3488.19,1733.27 3488.19,2410.9 J1.10@3793.68,2716.39
UD2.1: BUF3.12 J2.8 | length 2263.6
  Bottom Layer w5: v1(2517.72,737.2) 2581.69,737.2 2632.87,686.02 3332.87,686.02 3563.19,916.34 3563.19,1731.5 3648.08,1816.39 3743.68,1816.39 J2.8@3793.68,1866.39
UD2.2: BUF3.11 J2.9 | length 2135.6
  Top Layer w5: BUF3.11@2488.19,711.61 v1(2543.31,711.61)
  Bottom Layer w5: v1(2543.31,711.61) 2581.69,711.61 2632.87,660.43 3357.28,660.43 3588.19,891.34 3588.19,1660.9 J2.9@3693.68,1766.39
UD2.3: BUF4.18 J2.10 | length 2174.3
  Bottom Layer w5: v1(2517.72,615.16) 3362.01,615.16 3613.19,866.34 3613.19,1585.9 J2.10@3793.68,1766.39
UD3.1: BUF4.15 J3.8 | length 1462.1
  Top Layer w5: BUF4.15@2488.19,538.39 3345.47,538.39 3673.48,866.39 3743.68,866.39 J3.8@3793.68,916.39
UD3.2: BUF4.14 J3.9 | length 1331.2
  Top Layer w5: BUF4.14@2488.19,512.8 3390.08,512.8 J3.9@3693.68,816.39
UD3.3: BUF4.13 J3.10 | length 1441.8
  Top Layer w5: BUF4.13@2488.19,487.2 3464.49,487.2 J3.10@3793.68,816.39
UD4.1: BUF1.16 J4.8 | length 1814.9
  Bottom Layer w5: v1(2517.72,1390.75) 2568.9,1390.75 2948.2,1770.05 2948.2,2620.92 3093.68,2766.39 3193.68,2766.39 J4.8@3243.68,2816.39
UD4.2: BUF1.15 J4.9 | length 1670
  Top Layer w5: BUF1.15@2488.19,1365.16 v1(2543.31,1365.16)
  Bottom Layer w5: v1(2543.31,1365.16) 2568.9,1365.16 2988.19,1784.45 2988.19,2560.9 J4.9@3143.68,2716.39
UD4.3: BUF1.14 J4.10 | length 1707.5
  Bottom Layer w5: v1(2517.72,1339.57) 2568.9,1339.57 3013.19,1783.86 3013.19,2485.9 J4.10@3243.68,2716.39
UD5.1: BUF1.11 J5.8 | length 1005.5
  Top Layer w5: BUF1.11@2488.19,1262.8 v1(2543.31,1262.8)
  Bottom Layer w5: v1(2543.31,1262.8) 2544.28,1263.77 2569.87,1263.77 3122.49,1816.39 3193.68,1816.39 J5.8@3243.68,1866.39
UD5.2: BUF2.18 J5.9 | length 907.8
  Bottom Layer w5: v1(2517.72,1166.34) 2600.39,1166.34 3143.68,1709.62 J5.9@3143.68,1766.39
UD5.3: BUF2.17 J5.10 | length 1014.6
  Top Layer w5: BUF2.17@2488.19,1140.75 v1(2543.31,1140.75)
  Bottom Layer w5: v1(2543.31,1140.75) 2618.04,1140.75 J5.10@3243.68,1766.39
UD6.1: BUF2.14 J6.8 | length 858
  Top Layer w5: BUF2.14@2488.19,1063.98 2646.09,1063.98 2843.68,866.39 3193.68,866.39 J6.8@3243.68,916.39
UD6.2: BUF2.13 J6.9 | length 747.4
  Top Layer w5: BUF2.13@2488.19,1038.39 2621.68,1038.39 2843.68,816.39 J6.9@3143.68,816.39
UD6.3: BUF2.12 J6.10 | length 878.3
  Top Layer w5: BUF2.12@2488.19,1012.8 2538.4,1012.8 2597.27,1012.8 2843.68,766.39 3193.68,766.39 J6.10@3243.68,816.39
VDAC: J7.1 TP1.1 U1.46 | length 2160.5
  Top Layer w5: v1(1501.26,2576.4) 1515.27,2576.4 U1.46@1545.56,2606.69 ; J7.1@2597.72,3800.19 2597.72,3622.76 TP1.1@2598.43,3622.05
  Bottom Layer w5: v1(1501.26,2576.4) 1571.4,2576.4 1605,2610 1960,2610 2000,2650 2000,3324.23 2179.71,3503.94 2480.32,3503.94 TP1.1@2598.43,3622.05
VSSOSC: C1.1 C2.1 U1.122 | length 393.1
  Top Layer w8: C1.1@200.43,2799.79 200.22,2800 180.22,2820 180.22,2862.03 208.74,2890.55 222.93,2904.74 250.26,2904.74 355.98,2799.02 355.98,2775.95 U1.122@399.96,2731.96
X1: C1.2 U1.123 X1.1 | length 188.7
  Top Layer w8: C1.2@253.32,2751 X1.1@299.43,2797.11 306.98,2797.11 U1.123@386.05,2718.04
  Top Layer w10: C1.2@253.35,2742.88 C1.2@253.35,2746.98
X2: C2.2 U1.121 X1.3 | length 346.4
  Top Layer w8: C2.2@261.64,2943.45 270.01,2943.45 X1.3@310.57,2902.89 311.96,2904.29 395.71,2904.29 415,2885 415,2840 380,2805 380,2779.76 U1.121@413.88,2745.88
~ADC14: C60.2 ESD3.1 RA3.1 U1.44 | length 517
  Top Layer w5: U1.44@1559.48,2491.13 1640.24,2410.37 ESD3.1@1645.64,2410.37 ; v1(1668.09,2395.03) 1708.96,2395.03 1786.08,2317.91 1786.08,2288.31 RA3.1@1789.56,2284.83
  Bottom Layer w5: v1(1668.09,2395.03) 1795.47,2522.41 1802.54,2522.41 1817.54,2537.41 C60.2@1817.54,2541.88
~ADC15: C59.2 ESD2.3 RA2.4 U1.45 | length 464.2
  Top Layer w5: U1.45@1559.48,2592.77 1640.1,2673.4 ESD2.3@1645.64,2673.4 ; v1(1668.09,2688.73) 1706.91,2688.73 1786.08,2767.91 1786.08,2795.46 RA2.4@1789.56,2798.94
  Bottom Layer w5: v1(1668.09,2688.73) 1696.83,2659.99 C59.2@1817.54,2659.99
~ADCA2: C62.2 ESD3.6 RA3.2 U1.41 | length 436
  Top Layer w5: U1.41@1517.72,2449.37 1553.52,2413.57 1616.35,2413.57 1668.04,2361.88 1694.13,2361.88 ESD3.6@1723.43,2332.59 ; v1(1743.09,2315.03) 1743.09,2282.3 RA3.2@1765.06,2260.33
  Bottom Layer w5: v1(1743.09,2315.03) 1744.6,2316.55 1744.6,2342.04 1786.96,2384.4 C62.2@1817.54,2384.4
~ADCA3: C63.2 ESD3.4 RA3.3 U1.40 | length 458.4
  Top Layer w5: U1.40@1503.8,2435.45 1547.09,2392.16 1583.73,2392.16 1640.06,2335.83 1640.06,2310.17 ESD3.4@1670.53,2279.69 ; v1(1688.09,2260.03) 1720.82,2260.03 RA3.3@1742.79,2238.06
  Bottom Layer w5: v1(1688.09,2260.03) 1749.21,2260.03 1794.83,2305.66 C63.2@1817.54,2305.66
~ADCA4: C61.2 ESD3.3 RA3.4 U1.39 | length 574.7
  Top Layer w5: U1.39@1489.88,2421.54 1491.29,2421.54 1547.69,2365.13 1585.09,2365.13 ESD3.3@1592.75,2357.48 ; v1(1608.09,2335.03) 1608.09,2297.09 1688.14,2217.04 1714.81,2217.04 RA3.4@1718.29,2213.56
  Bottom Layer w5: v1(1608.09,2335.03) 1647.04,2335.03 1775.15,2463.14 C61.2@1817.54,2463.14
~ADCA5: C64.2 ESD4.1 RA4.1 U1.38 | length 706.2
  Top Layer w5: U1.38@1475.96,2407.62 1521.98,2361.6 1521.98,2336.98 1470.06,2285.06 1470.06,2271 ESD4.1@1488.16,2252.89 ; v1(1510.61,2237.55) 1564.39,2237.55 1628.6,2173.34 1628.6,2130.83 RA4.1@1632.08,2127.35
  Bottom Layer w5: v1(1510.61,2237.55) 1514.09,2237.55 1524.72,2226.92 C64.2@1817.54,2226.92
~ADCB2: C58.2 ESD2.4 RA2.3 U1.48 | length 404.7
  Top Layer w5: U1.48@1517.72,2634.52 1548.31,2665.11 1611.7,2665.11 1665.67,2719.08 1691.33,2719.08 ESD2.4@1723.43,2751.18 ; v1(1743.09,2768.73) 1743.09,2801.46 RA2.3@1765.06,2823.44
  Bottom Layer w5: v1(1743.09,2768.73) 1773.09,2738.73 C58.2@1817.54,2738.73
~ADCB3: C57.2 ESD2.6 RA2.2 U1.49 | length 442.3
  Top Layer w5: U1.49@1503.8,2648.44 1544.34,2688.99 1581.47,2688.99 1635.44,2742.96 1635.44,2768.98 ESD2.6@1670.53,2804.07 ; v1(1688.09,2823.73) 1720.82,2823.73 RA2.2@1742.79,2845.71
  Bottom Layer w5: v1(1688.09,2823.73) 1692.15,2823.73 1698.41,2817.47 C57.2@1817.54,2817.47
~ADCC2: C65.2 ESD4.6 RA4.2 U1.31 | length 543.2
  Top Layer w5: U1.31@1378.52,2310.18 1424.08,2264.62 1449.7,2264.62 1499.11,2215.21 1499.11,2214.81 1502.04,2211.88 1529.17,2211.88 ESD4.6@1565.95,2175.11 ; v1(1585.61,2157.55) 1585.61,2124.82 RA4.2@1607.58,2102.85
  Bottom Layer w5: v1(1585.61,2157.55) 1589.67,2157.55 1599.04,2148.18 C65.2@1817.54,2148.18
~ADCC3: C66.2 ESD4.4 RA4.3 U1.30 | length 600
  Top Layer w5: U1.30@1364.6,2296.26 1480.06,2180.81 1480.06,2155.21 ESD4.4@1513.05,2122.21 ; v1(1530.61,2102.55) 1563.34,2102.55 RA4.3@1585.31,2080.58
  Bottom Layer w5: v1(1530.61,2102.55) 1563.72,2069.44 C66.2@1817.54,2069.44
~ADCC4: C67.2 ESD4.3 RA4.4 U1.29 | length 777.1
  Top Layer w5: U1.29@1350.68,2282.34 1433.03,2200 ESD4.3@1435.27,2200 ; v1(1450.61,2177.55) 1450.61,2145.39 1536.44,2059.56 1557.33,2059.56 RA4.4@1560.81,2056.08
  Bottom Layer w5: v1(1450.61,2177.55) 1489,2139.16 1489,2079.9 1578.2,1990.7 C67.2@1817.54,1990.7
~ADCD0: C56.2 ESD2.1 RA2.1 U1.56 | length 711.4
  Top Layer w5: U1.56@1406.36,2745.88 1407.57,2745.88 1441.11,2779.42 1539.62,2779.42 ESD2.1@1592.75,2726.29 ; v1(1608.09,2748.73) 1608.09,2789.91 1684.9,2866.73 1714.81,2866.73 RA2.1@1718.29,2870.21
  Bottom Layer w5: v1(1608.09,2748.73) 1608.09,2806.61 1697.69,2896.21 C56.2@1817.54,2896.21
~ADCD1: C55.2 ESD1.3 RA1.4 U1.57 | length 671.6
  Top Layer w5: U1.57@1392.44,2759.8 1424.53,2791.88 1449.17,2791.88 ESD1.3@1488.16,2830.88 ; v1(1510.61,2846.21) 1554.39,2846.21 1628.6,2920.43 1628.6,2952.94 RA1.4@1632.08,2956.42
  Bottom Layer w5: v1(1510.61,2846.21) 1594.23,2846.21 1722.97,2974.95 C55.2@1817.54,2974.95
~ADCD2: C54.2 ESD1.4 RA1.3 U1.58 | length 591.9
  Top Layer w5: U1.58@1378.52,2773.72 1416.69,2811.88 1442.57,2811.88 1505.99,2875.29 1532.58,2875.29 ESD1.4@1565.95,2908.66 ; v1(1585.61,2926.21) 1585.61,2958.94 RA1.3@1607.58,2980.92
  Bottom Layer w5: v1(1585.61,2926.21) 1713.08,3053.69 C54.2@1817.54,3053.69
~ADCD3: C53.2 ESD1.6 RA1.2 U1.59 | length 648.8
  Top Layer w5: U1.59@1364.6,2787.64 1475.65,2898.68 1475.65,2924.15 ESD1.6@1513.05,2961.55 ; v1(1530.61,2981.21) 1563.34,2981.21 RA1.2@1585.31,3003.19
  Bottom Layer w5: v1(1530.61,2981.21) 1681.82,3132.43 C53.2@1817.54,3132.43
~ADCD4: C52.2 ESD1.1 RA1.1 U1.60 | length 862.8
  Top Layer w5: U1.60@1350.68,2801.56 1432.9,2883.77 ESD1.1@1435.27,2883.77 ; v1(1450.61,2906.21) 1450.61,2942.61 1532.21,3024.21 1557.33,3024.21 RA1.1@1560.81,3027.69
  Bottom Layer w5: v1(1450.61,2906.21) 1495,2950.61 1495,3068.52 1637.65,3211.17 C52.2@1817.54,3211.17
pads on no net: J2.2 J3.2 J5.2 J6.2 JP1.6 JP1.9 U1.63 U1.64 U1.65 U1.66 U1.67 U1.69 U1.73 U1.74 U1.83 U1.84 U1.85 U1.86 U1.87 U1.89 U1.90 U1.92 U1.93 U1.94 U1.95 U1.96 U1.97 U1.98 U1.100 U1.101 U1.102 U1.103 U1.104 U1.105 U1.107 U1.108 U1.109 U1.110 U1.111 U1.112 U1.113 U1.115 U1.118 U1.128 U1.129 U1.132 U1.133 U1.134 U1.135 U1.136 U1.146 U1.148 U1.149 U1.150 U1.151 U1.155 U1.156

## Polygon pours and split planes (outlines as drawn)
+3V3 on Top Layer "+3V3_L01_P000" (solid, pour order 0): 705,755 738.19,721.81 738.19,456.34 748.19,446.34 888.19,446.34 898.19,456.34 978.19,456.34 988.19,446.34 988.19,366.34 938.19,316.34 838.19,316.34 818.19,296.34 818.19,156.34 798.19,136.34 768.19,136.34 613.19,291.34 613.19,691.93 676.26,755
+1V2 on Top Layer "+1V2_L01_P002" (solid, pour order 2): 1138.55,1046.7 1138.55,946.7 1138.19,946.34 1248.19,946.34 1338.19,856.34 1458.19,736.34 1768.19,736.34 1778.19,746.34 1778.19,786.34 1688.19,876.34 1508.19,1056.34 1148.19,1056.34
GND on Top Layer "GND_L01_P004" (solid, pour order 4): 879.24,779.63 716.43,779.63 669.29,826.77 669.29,944.88 724.04,999.63 924.9,999.63 938.19,986.34 938.19,928.58 889.24,879.63 889.24,789.63 889.24,879.63 889.24,789.63
GND on Top Layer "GND_L01_P003" (solid, pour order 3): 1588.19,416.34 1640.23,416.34 1648.19,408.38 1648.19,206.34 1638.19,196.34 1518.19,196.34 1508.19,206.34 1508.19,246.34 1578.19,316.34 1578.19,406.34 1578.19,316.34 1578.19,406.34
GND on Top Layer "GND_L01_P001" (solid, pour order 1): 828.19,686.34 758.19,616.34 758.19,496.34 768.31,486.22 988.31,486.22 1018.19,456.34 1018.19,366.34 938.19,286.34 858.19,286.34 848.19,276.34 848.19,236.34 858.19,226.34 1028.19,226.34 1038.19,216.34 1038.19,166.34 1048.19,156.34 1088.19,156.34 1168.19,236.34 1168.19,466.34 1198.19,496.34 1268.1,496.34 1298.1,466.34 1348.19,466.34 1373.58,491.12 1398.19,516.34 1518.19,516.34 1548.19,546.34 1548.19,586.34 1588.19,626.34 1728.19,626.34 1778.19,676.34 1778.19,701.47 1773.32,706.34 1188.19,706.34 1158.19,736.34 1118.19,736.34 1068.19,686.34 1028.19,686.34
+3V3 on POWER "+3V3_L03_P010" (solid, pour order 10): 1653.54,0 1653.54,3937.01 393.7,3937.01 0,3543.31 0,393.7 393.7,0
+1V2 on POWER "1V2" (solid, pour order 8): 1062.85,2066 1188.53,2066 1213.19,2041.34 1213.19,1941.54 1078.66,1807.01 1078.66,1050.87 1213.19,916.34 1413.19,916.34 1438.19,941.34 1438.19,2067.81 1324,2182 1324,2771 1078.66,3016.34 746.34,3016.34 338.19,2608.19 338.19,2471.81 793.66,2016.34 1013.19,2016.34
GND on Bottom Layer "GND_L04_P012" (solid, pour order 12): 1933.75,1965.62 1875,1965.66 1875,2566.87 1935,2566.87 1950,2551.87 1950,1981.87
GND on Bottom Layer "GND_L04_P011" (solid, pour order 11): 1933.75,3236.25 1875,3236.21 1875,2635 1935,2635 1950,2650 1950,3220
GND on GND "GND_L02_P009" (solid, pour order 9): 0,3937.01 0,0 3937.01,0 3937.01,3937.01

## Keep-outs
Keep-Out Layer:
  lines w5: 3937.01,78.74 cw(c3858.27,78.74) 3858.27,0 78.74,0 cw(c78.74,78.74) 0,78.74 0,3858.27 cw(c78.74,3858.27) 78.74,3937.01 3858.27,3937.01 cw(c3858.27,3858.27) 3937.01,3858.27 3937.01,78.74 ; 3937.01,78.74 3937.01,78.74 ; 1640,3474.3 cw(c1640,3494) 1640,3513.7 1961,3513.7 cw(c1961,3494) 1980.7,3494 cw(c1961,3494) 1961,3474.3 1640,3474.3

## Silkscreen, mask and mechanical layers (free items; w line width, h text height)
Top Overlay:
  circle w5.91: c314.7,2740.92 r7.07
  lines w7.87: 4251.97,3877.95 5334.65,3877.95 ; 4783.46,3937.01 4783.46,3877.95 4803.15,3877.95 4803.15,3937.01 ; 4251.97,2854.33 5334.65,2854.33 5334.65,3937.01 4251.97,3937.01 4251.97,2854.33
  text "REF" at 1925.37,3807.06 h59.06
  text "GND" at 1696.94,3806.63 h59.06
  text "VDAC" at 2528.9,3499.1 h60
  text "DAC-A" at 2750.79,3498.94 h60
  text "DAC-C" at 2279.05,3498.23 h60
  text "DAC-B" at 2987.71,3498.23 h60
  text "ADC15" at 3223.93,3498.23 h60
  text "ADC14" at 3460.16,3498.23 h60
  text "JTAG_3.3V" at 428.62,3440.46 h59.06
  text "GND" at 3763.7,3417.86 h60
  text "+12" at 2759.71,3409.01 h39.37
  text "-12" at 2571.76,3407.59 h39.37
  text "G" at 2707.03,3407.42 h39.37
  text "D0" at 2134.17,3257.19 h70 r270
  text "D0" at 2885.49,3234.01 h70
  text "B3" at 3435.49,3234.01 h70
  text "RESET" at 135.54,3167.4 h59.06 r45
  text "D2" at 2885.49,3134.01 h70
  text "D4" at 3435.49,3134.01 h70
  text "B3" at 2134.31,3110.19 h70 r270
  text "D1" at 2885.49,3034.01 h70
  text "D3" at 3435.49,3034.01 h70
  text "4A" at 2885.49,2934.01 h70
  text "1A" at 3435.49,2934.01 h70
  text "4B" at 2885.49,2834.01 h70
  text "1B" at 3435.49,2834.01 h70
  text "P27" at 2885.49,2734.01 h70
  text "P14" at 3435.49,2734.01 h70
  text "A2" at 2134.17,2666.64 h70 r270
  text "P26" at 2885.49,2634.01 h70
  text "P13" at 3435.49,2634.01 h70
  text "P25" at 2885.49,2534.01 h70
  text "P12" at 3435.49,2534.01 h70
  text "A3" at 2134.31,2519.64 h70 r270
  text "A3" at 2885.49,2284.01 h70
  text "A2" at 3435.49,2284.01 h70
  text "NC" at 2885.49,2184.01 h70
  text "NC" at 3435.49,2184.01 h70
  text "A4" at 2885.49,2084.01 h70
  text "B2" at 3435.49,2084.01 h70
  text "C2" at 2134.17,2076.09 h70 r270
  text "5A" at 2885.49,1984.01 h70
  text "2A" at 3435.49,1984.01 h70
  text "C3" at 2134.31,1929.09 h70 r270
  text "5B" at 2885.49,1884.01 h70
  text "2B" at 3435.49,1884.01 h70
  text "P73" at 531.5,1830.71 h47.24 r270
  text "P24" at 2885.49,1784.01 h70
  text "P94" at 3435.49,1784.01 h70
  text "GND" at 963.91,1692.5 h59.06 r90
  text "3V3" at 1063.91,1692.5 h59.06 r90
  text "SCK" at 1163.91,1692.5 h59.06 r90
  text "SDA" at 1263.91,1692.5 h59.06 r90
  text "RES" at 1363.91,1692.5 h59.06 r90
  text "DC" at 1463.91,1692.5 h59.06 r90
  text "CS" at 1563.91,1692.5 h59.06 r90
  text "P23" at 2885.49,1684.01 h70
  text "P93" at 3435.49,1684.01 h70
  text "P22" at 2885.49,1584.01 h70
  text "P92" at 3435.49,1584.01 h70
  text "OLED" at 740,1580 h39.37
  text "P74" at 531.5,1535.43 h47.24 r270
  text "P18" at 1168.09,1379.22 h59.06 r90
  text "P16" at 1268.09,1379.22 h59.06 r90
  text "P15" at 1368.09,1379.22 h59.06 r90
  text "P17" at 1468.09,1379.22 h59.06 r90
  text "P19" at 1568.09,1379.22 h59.06 r90
  text "SPI:R" at 979.53,1374.23 h39.37
  text "C3" at 2885.49,1334.01 h70
  text "C2" at 3435.49,1334.01 h70
  text "P35" at 1166.69,1272.94 h59.06 r90
  text "P34" at 1266.69,1272.94 h59.06 r90
  text "I2C:L" at 981.12,1270.42 h39.37
  text "P75" at 531.5,1240.16 h47.24 r270
  text "NC" at 2885.49,1234.01 h70
  text "NC" at 3435.49,1234.01 h70
  text "C4" at 2885.49,1134.01 h70
  text "A5" at 3435.49,1134.01 h70
  text "1V2" at 1365.31,1052.34 h59.06
  text "6A" at 2885.49,1034.01 h70
  text "3A" at 3435.49,1034.01 h70
  text "GND" at 652.7,986.42 h59.06
  text "P76" at 531.5,944.88 h47.24 r270
  text "6B" at 2885.49,934.01 h70
  text "3B" at 3435.49,934.01 h70
  text "P99" at 2885.49,834.01 h70
  text "P91" at 3435.49,834.01 h70
  text "P21" at 2885.49,734.01 h70
  text "P90" at 3435.49,734.01 h70
  text "P77" at 531.5,649.61 h47.24 r270
  text "P20" at 2885.49,634.01 h70
  text "P89" at 3435.49,634.01 h70
  text "3V3" at 574.35,395.69 h59.06
  text "P78" at 531.5,354.33 h47.24 r270
  text "-12V" at 1912.59,274.69 h60 r90
  text "GND" at 2012.59,274.69 h60 r90
  text "+5V" at 2112.59,274.69 h60 r90
  text "+12V" at 2212.59,274.69 h60 r90
  text "GND" at 2555.88,130.36 h60 r270
  text "P87" at 2655.88,130.36 h60 r270
  text "GND" at 2755.88,130.36 h60 r270
  text "P88" at 2855.88,130.36 h60 r270
  text "GND" at 3491.55,69.67 h60
  text "P87" at 3100.74,67.66 h60
  text "P88" at 3303.2,67.66 h60
  text "POW_IN" at 1464.43,13.11 h59.06
Bottom Overlay:
  rectangle: 2007.87,2426.8 2500,2677.17
  text "BOOT1" at 760,2940 h39.37 r90
  text "BOOT0" at 820,2940 h39.37 r90
  text "TRST" at 700,2900 h39.37 r90
  text "Filter_Cap:" at 2795.28,2519.68 h39.37
  text "E" at 3625.2,320.2 h472.44
  text "TMS320F28375D_Control_Card_2023.7.27" at 3180.38,312.35 h80
Mechanical 1:
  lines w5: 3937.01,78.74 cw(c3858.27,78.74) 3858.27,0 78.74,0 cw(c78.74,78.74) 0,78.74 0,3858.27 cw(c78.74,3858.27) 78.74,3937.01 3858.27,3937.01 cw(c3858.27,3858.27) 3937.01,3858.27 3937.01,78.74 ; 3937.01,78.74 3937.01,78.74 ; 1640,3474.3 cw(c1640,3494) 1640,3513.7 1961,3513.7 cw(c1961,3494) 1980.7,3494 cw(c1961,3494) 1961,3474.3 1640,3474.3

## Text inside footprints (layer, text, board x,y; h text height)
DIP1: Bottom Overlay "ON" at 820.51,2623.71 h39.37
JP1: Top Overlay "2" at 1510,3695 h40 r180; Top Overlay "1" at 1500,3795 h40 r180; Top Overlay "14" at 438,3703 h40 r180; Top Overlay "13" at 438,3803 h40 r180